# Altium PCB BB.PcbDoc (part 5 of 9) (continued)
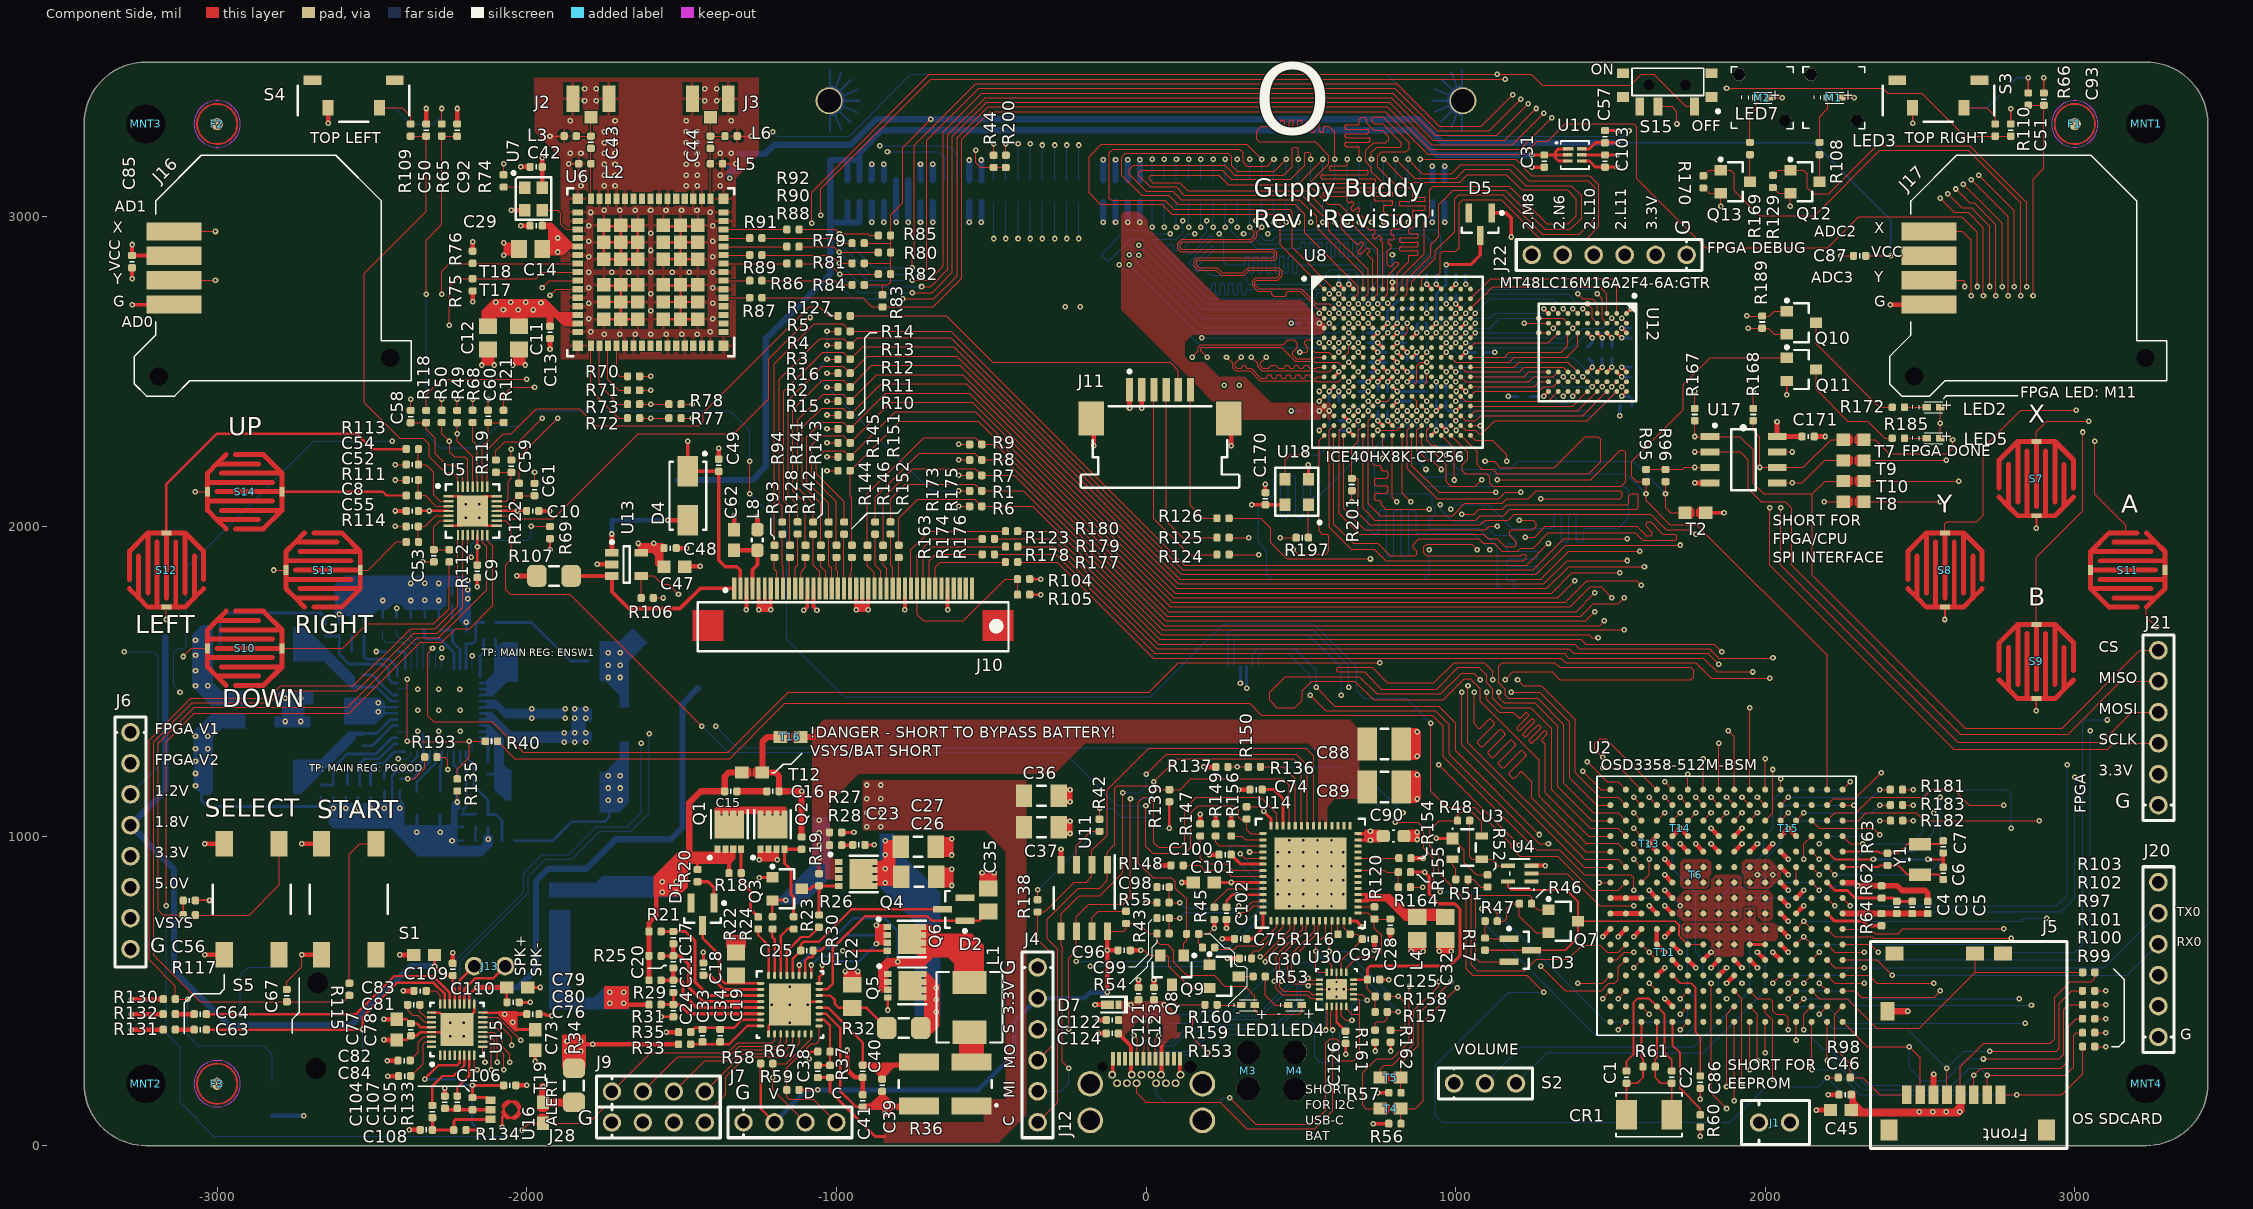
[diagram p0: Component Side view]
## Nets (pads, with @x,y where several pads share a name; then routed paths per layer and width w, separated by ;. In a path a pad name is that pad's centre, name@x,y a point inside that pad or via, vN(x,y) a via of type N, cw(c..) or ccw(c..) an arc to the next point about the centre after c; other vN are vias at no path point) (continued)
  other v2: 463.35,773.31 508.62,773.31 553.9,773.31 599.17,773.31 424.96,811.69 463.35,811.69 508.62,811.69 553.9,811.69 599.17,811.69 637.56,811.69 424.96,856.97 463.35,856.97 508.62,856.97 553.9,856.97 599.17,856.97 637.56,856.97 424.96,902.24 463.35,902.24 508.62,902.24 553.9,902.24 599.17,902.24 637.56,902.24 424.96,947.52 463.35,947.52 508.62,947.52 553.9,947.52 599.17,947.52 637.56,947.52 463.35,985.91 508.62,985.91 553.9,985.91 599.17,985.91
  other v3: -2246.65,353.27 -2203.35,353.27 -2246.65,396.58 -2203.35,396.58
  other v4: -2196.65,2028.35 -2153.35,2028.35 -2196.65,2071.65 -2153.35,2071.65
GPIO_INT_N: R69.2 U2.T12 U5.10 | length 10143
  Component Side w4: U5.10@-2190.75,1972.24 -2190.75,1910.75 v1(-2180,1900) ; v1(-1985,2000) R69.2@-1925,2000 ; U2.T12@1500,599.82 1519.82,599.82 1545,625 v1(1575,625)
  Inner Layer 1 w4: v1(-1985,2000) -1985,2130 -2010,2155 -2010,2255 -1954.96,2310.04 -1414.96,2310.04 -1060,2665 -1060,2930 -980,3010 -620.08,3010 -545.08,3085 -475,3085 -395,3165 -125,3165 -118,3172 -118,3199 -103,3214 461,3214 473,3202 473,3165.25 623.25,3015 1280,3015 1371,2924 1771,2924 1900,2795 2880,2795 2885,2790 2885,2246.86 2990,2141.86 2990,1455 2795,1260 v1(2795,1025.31) ; v1(1575,625) 1600,650 1600,705 1536,769 1536,785 1546,795 1980.18,795 2050,864.82 2050,886 2063,899 2075,899 2100,924 2100,930 2144.82,974.82 v1(2175,974.82)
  Solder Side w4: v1(-2180,1900) -2180,1941 -2166,1955 -1998,1955 -1985,1968 v1(-1985,2000) ; v1(2175,974.82) 2200,999.82 2322,999.82 2347,974.82 2469.82,974.82 2510,1015 2510,1130 2530,1150 2780,1150 2795,1135 v1(2795,1025.31)
GPMC_AD0: U2.R3 U8.T6 | length 3273.7
  Component Side w4: U8.T6@733.07,2294.29 733.07,2201.93 737.45,2197.55 754.45,2197.55 760,2192 760,2187.2 ccw(c767.2,2187.2) 767.2,2180 774.74,2180 cw(c774.74,2172.8) 781.94,2172.8 781.94,2163.2 cw(c774.74,2163.2) 774.74,2156 760,2156 745.26,2156 ccw(c745.26,2148.8) 738.06,2148.8 738.06,2139.2 ccw(c745.26,2139.2) 745.26,2132 760,2132 774.74,2132 cw(c774.74,2124.8) 781.94,2124.8 781.94,2115.2 cw(c774.74,2115.2) 774.74,2108 760,2108 745.26,2108 ccw(c745.26,2100.8) 738.06,2100.8 738.06,2091.2 ccw(c745.26,2091.2) 745.26,2084 752.8,2084 cw(c752.8,2076.8) 760,2076.8 760,2070 775,2055 v1(915,2055) ; v1(1160,1505) 1185,1530 1312,1530 1337,1505 1760,1505 1769,1514 1769,1536 1760,1545 1336,1545 1321,1560 1150,1560 1140,1550 1140,1495 1160,1475 1160,1455 1170,1445 1265,1445 1350,1360 1350,1170 1445.18,1074.82 1525,1074.82 U2.R3@1550,1049.82
  Inner Layer 1 w4: v1(915,2055) 915,1955 935,1935 935,1770 1160,1545 v1(1160,1505)
GPMC_AD1: U2.R2 U8.P9 | length 3214.7
  Component Side w4: U8.P9@827.56,2357.28 v1(843.31,2341.53) ; v1(1200,1505) 1219,1486 1276,1486 1386,1376 1386,1204 1465.18,1124.82 1525,1124.82 U2.R2@1550,1099.82
  Inner Layer 1 w4: v1(985,2055) 985,1785 1200,1570 v1(1200,1505)
  Solder Side w4: v1(843.31,2341.53) 843.31,2186.69 900,2130 1545,2130 1560,2115 1560,2030 1525,1995 1478,1995 1422.4,1995 ccw(c1422.4,1986.6) 1414,1986.6 1414,1958.68 cw(c1405.6,1958.68) 1405.6,1950.28 1398.4,1950.28 cw(c1398.4,1958.68) 1390,1958.68 1390,1995 1390,2031.32 ccw(c1381.6,2031.32) 1381.6,2039.72 1374.4,2039.72 ccw(c1374.4,2031.32) 1366,2031.32 1366,1995 1366,1958.68 cw(c1357.6,1958.68) 1357.6,1950.28 1350.4,1950.28 cw(c1350.4,1958.68) 1342,1958.68 1342,1995 1342,2031.32 ccw(c1333.6,2031.32) 1333.6,2039.72 1326.4,2039.72 ccw(c1326.4,2031.32) 1318,2031.32 1318,2003.4 cw(c1309.6,2003.4) 1309.6,1995 1306,1995 1181,1995 1106,2070 1000,2070 v1(985,2055)
GPMC_AD2: U2.R1 U8.R10 | length 3272.8
  Component Side w4: U8.R10@859.05,2325.79 843.31,2310.04 843.31,2186.69 940,2090 1140,2090 1160,2110 v1(1210,2110) ; v1(1425,1240) 1490,1175 1524.82,1175 U2.R1@1550,1149.82
  Inner Layer 1 w4: v1(1210,2110) 1250,2150 1303,2150 1340,2113 1340,2057 1352,2045 1725,2045 1750,2070 1750,2153 1763,2166 1786,2166 1815,2137 1815,2105 1735,2025 1335,2025 1320,2040 1320,2095 1285,2130 1260,2130 1155,2025 1155,1855 1360,1650 1360,1305 v1(1425,1240)
GPMC_AD3: U2.T3 U8.R4 | length 3215.2
  Component Side w4: U8.R4@670.08,2325.79 v1(685.83,2341.54) ; v1(1140,1465) 1140,1447 1157,1430 1255,1430 1330,1355 1330,1160 1440.18,1049.82 U2.T3@1500,1049.82
  Inner Layer 1 w4: v1(915,1925) 915,1765 1140,1540 v1(1140,1465)
  Solder Side w4: v1(685.83,2341.54) 685.83,2225.83 556,2096 539.2,2096 cw(c539.2,2103.2) 532,2103.2 532,2155.94 ccw(c524.8,2155.94) 524.8,2163.14 515.2,2163.14 ccw(c515.2,2155.94) 508,2155.94 508,2096 508,2036.06 cw(c500.8,2036.06) 500.8,2028.86 491.2,2028.86 cw(c491.2,2036.06) 484,2036.06 484,2096 484,2155.94 ccw(c476.8,2155.94) 476.8,2163.14 467.2,2163.14 ccw(c467.2,2155.94) 460,2155.94 460,2096 460,2036.06 cw(c452.8,2036.06) 452.8,2028.86 443.2,2028.86 cw(c443.2,2036.06) 436,2036.06 436,2096 436,2155.94 ccw(c428.8,2155.94) 428.8,2163.14 419.2,2163.14 ccw(c419.2,2155.94) 412,2155.94 412,2103.2 cw(c404.8,2103.2) 404.8,2096 400,2096 362,2058 362,1948.28 390,1920.28 390,1847 407,1830 898,1830 915,1847 v1(915,1925)
GPMC_AD4: U2.T2 U8.P10 | length 3214.7
  Component Side w4: v1(843.31,2373.03) U8.P10@859.05,2357.28 ; v1(1180,1465) 1271,1465 1369,1367 1369,1186 1455.18,1099.82 U2.T2@1500,1099.82
  Inner Layer 1 w4: v1(950,2069.88) 950,1955 960,1945 960,1775 1180,1555 v1(1180,1465)
  Solder Side w4: v1(843.31,2373.03) 827.56,2357.28 827.56,2329.56 818,2320 805,2320 739,2254 739,2119 752.69,2105.31 914.57,2105.31 925,2094.88 925,2070 935,2060 935,2039.81 915,2019.81 915,2000 920,1995 1074.84,1995 1135,1934.84 1135,1810 1145,1800 1185,1800 1195,1810 1195,1812 1195,1816.8 ccw(c1187.8,1816.8) 1187.8,1824 1173.17,1824 cw(c1173.17,1831.2) 1165.97,1831.2 1165.97,1840.8 cw(c1173.17,1840.8) 1173.17,1848 1195,1848 1257.83,1848 ccw(c1257.83,1855.2) 1265.03,1855.2 1265.03,1864.8 ccw(c1257.83,1864.8) 1257.83,1872 1195,1872 1173.17,1872 cw(c1173.17,1879.2) 1165.97,1879.2 1165.97,1888.8 cw(c1173.17,1888.8) 1173.17,1896 1195,1896 1257.83,1896 ccw(c1257.83,1903.2) 1265.03,1903.2 1265.03,1912.8 ccw(c1257.83,1912.8) 1257.83,1920 1195,1920 1173.17,1920 cw(c1173.17,1927.2) 1165.97,1927.2 1165.97,1936.8 cw(c1173.17,1936.8) 1173.17,1944 1191,1944 ccw(c1191,1948) 1195,1948 1195,1958 1181,1972 1128,1972 1085,2015 990,2015 950,2055 v1(950,2069.88)
GPMC_AD5: U2.T1 U8.T3 | length 3273.8
  Component Side w4: U8.T3@638.58,2294.29 638.58,2058.07 706.65,1990 1098,1990 1108,2000 v1(1135,2000) ; v1(1410,1210) 1470.18,1149.82 U2.T1@1500,1149.82
  Inner Layer 1 w4: v1(1135,2000) 1135,2030 1185,2080 1185,2119 1236,2170 1315,2170 1360,2125 1360,2071 1366,2065 1529.75,2065 1602.75,2138 1665,2138 1672,2145 1672,2177 1659,2190 1222.33,2190 1170,2137.67 1170,2095 1110,2035 1110,1985 1135,1960 1135,1845 1340,1640 1340,1280 v1(1410,1210)
GPMC_AD6: U2.P4 U8.T10 | length 3272.9
  Component Side w4: U8.T10@859.05,2294.29 859.05,2195.95 945,2110 v1(1130,2110) ; v1(1575,1024.82) U2.P4@1600,999.82
  Inner Layer 1 w4: v1(1130,2110) 1070,2050 1070,2020 1050,2000 1050,1800 1260,1590 1260,1170 1405.18,1024.82 1543.18,1024.82 1568,1000 1590,1000 1595,995 1595,960 1610.18,944.82 1640.18,944.82 1650,935 1650,920.1 1614.9,885 1491,885 1485,879 1485,869.9 1489.9,865 1635.1,865 1668.1,898 1679,898 1693,912 1693,949.18 1696.82,953 1711,953 1715,949 1715,905 1710,900 1710,872 1716,866 1728.68,866 1735,872.32 1735,949 1739,953 1751,953 1755,949 1755,905 1760,900 1770.41,900 1775,904.59 1775,946 1780,951 1787,951 1793,945 1793,892 1799,886 1813,886 1818,891 1818,947 1800,965 1800,985.18 1789.18,996 1627,996 1598.18,1024.82 v1(1575,1024.82)
GPMC_AD7: U2.R4 U8.T11 | length 3273.6
  Component Side w4: U8.T11@890.55,2294.29 890.55,2263.5 913.5,2240.55 928.54,2240.55 970,2199.09 970,2145 985,2130 1064,2130 v1(1085,2151) ; v1(1120,1505) 1120,1533 1093,1560 995,1560 930,1495 780,1495 730,1545 621,1545 616,1540 616,1534 620,1530 705,1530 760,1475 939,1475 1009,1545 1075,1545 1100,1520 1100,1495 1120,1475 1120,1445 1150,1415 1242,1415 1310,1347 1310,1150 1435.18,1024.82 1525,1024.82 U2.R4@1550,999.82
  Inner Layer 1 w4: v1(1085,2151) 1098,2164 1098,2175 1082.45,2190.55 1051.02,2190.55 1043,2182.53 1043,2109 1039,2105 925,2105 895,2075 895,1760 1120,1535 v1(1120,1505)
GPMC_AD8: U2.T4 U8.T15 | length 3272.9
  Component Side w4: U8.T15@1016.54,2294.29 1070,2240.83 1070,2200 1085,2185 1120,2185 1135,2170 1430,2170 1469,2209 1469,2282 1461,2290 1419,2290 1319,2190 1145,2190 1125,2210 v1(1095,2210) ; v1(1100,1465) 1100,1441 1141,1400 1186,1400 1201.91,1384.09 1203.89,1382.11 ccw(c1206.86,1385.08) 1209.83,1382.11 1225.1,1397.38 cw(c1228.07,1394.41) 1231.04,1397.38 1235,1393.42 cw(c1232.03,1390.45) 1235,1387.48 1216.76,1369.24 1198.52,1351 ccw(c1201.49,1348.03) 1198.52,1345.06 1202.48,1341.1 ccw(c1205.44,1344.07) 1208.41,1341.1 1226.66,1359.34 1244.9,1377.59 cw(c1247.87,1374.62) 1250.84,1377.59 1254.8,1373.63 cw(c1251.83,1370.66) 1254.8,1367.69 1236.56,1349.44 1218.31,1331.2 ccw(c1221.28,1328.23) 1218.31,1325.26 1222.27,1321.3 ccw(c1225.24,1324.27) 1228.21,1321.3 1246.46,1339.54 1264.7,1357.79 cw(c1267.67,1354.82) 1270.64,1357.79 1274.6,1353.83 cw(c1271.63,1350.86) 1274.6,1347.89 1256.36,1329.64 1238.11,1311.4 ccw(c1241.08,1308.43) 1238.11,1305.46 1242.07,1301.5 ccw(c1245.04,1304.47) 1248.01,1301.5 1266.26,1319.74 1284.5,1337.99 cw(c1287.47,1335.02) 1290.44,1337.99 1294.4,1334.03 cw(c1291.43,1331.06) 1294.4,1328.09 1279.13,1312.81 ccw(c1282.1,1309.84) 1279.13,1306.87 1286.06,1299.94 1290,1296 1290,1140 1430.18,999.82 U2.T4@1500,999.82
  Inner Layer 1 w4: v1(1095,2210) 1095,2225 1084,2236 1061,2236 1019,2194 1019,2135 1009,2125 920,2125 875,2080 875,1750 1100,1525 1100,1492 1080,1472 1080,1451 1086,1445 1112,1445 1116,1449 1116,1462 1113,1465 v1(1100,1465)
GPMC_AD9: U2.P5 U8.T14 | length 3273.5
  Component Side w4: U8.T14@985.04,2294.29 1039,2240.33 1039,2217 1021,2199 1021,2180 1031,2170 1100,2170 1110,2160 1110,2140 1120,2130 1535,2130 1549,2144 1549,2239 1542,2246 1531,2246 1436,2151 v1(1134.67,2151) ; v1(1575,974.82) U2.P5@1600,949.82
  Inner Layer 1 w4: v1(1134.67,2151) 1049.33,2065.67 1049.33,2029.33 1030,2010 1030,1790 1240,1580 1240,1158.14 1423.31,974.82 1436,974.82 1438.1,974.82 ccw(c1438.1,979.72) 1443,979.72 1443,999.92 cw(c1447.9,999.92) 1447.9,1004.82 1452.1,1004.82 cw(c1452.1,999.92) 1457,999.92 1457,974.82 1457,949.72 ccw(c1461.9,949.72) 1461.9,944.82 1466.1,944.82 ccw(c1466.1,949.72) 1471,949.72 1471,974.82 1471,999.92 cw(c1475.9,999.92) 1475.9,1004.82 1480.1,1004.82 cw(c1480.1,999.92) 1485,999.92 1485,974.82 1485,949.72 ccw(c1489.9,949.72) 1489.9,944.82 1494.1,944.82 ccw(c1494.1,949.72) 1499,949.72 1499,974.82 1499,999.92 cw(c1503.9,999.92) 1503.9,1004.82 1508.1,1004.82 cw(c1508.1,999.92) 1513,999.92 1513,974.82 1513,949.72 ccw(c1517.9,949.72) 1517.9,944.82 1522.1,944.82 ccw(c1522.1,949.72) 1527,949.72 1527,974.82 1527,999.92 cw(c1531.9,999.92) 1531.9,1004.82 1536.1,1004.82 cw(c1536.1,999.92) 1541,999.92 1541,974.82 1541,949.72 ccw(c1545.9,949.72) 1545.9,944.82 1550.1,944.82 ccw(c1550.1,949.72) 1555,949.72 1555,969.92 cw(c1559.9,969.92) 1559.9,974.82 1566,974.82 v1(1575,974.82)
GPMC_AD10: U2.R5 U8.T9 | length 3273.2
  Component Side w4: U8.T9@827.56,2294.29 827.56,2107.44 v1(855,2080) ; v1(1080,1505) 1058.37,1526.63 1019.63,1526.63 952,1459 745.27,1459 689.27,1515 450,1515 399,1464 399,1438 423,1414 480,1414 504.68,1438.69 504.68,1469.69 535,1500 675,1500 735,1440 960,1440 1028,1508 1047.31,1508 1080,1475.31 1080,1435 1270,1245 1270,1128.14 1422.14,976 1523.82,976 U2.R5@1550,949.82
  Inner Layer 1 w4: v1(855,2080) 855,1744 1080,1519 v1(1080,1505)
GPMC_AD11: U2.T5 U8.T13 | length 3273.1
  Component Side w4: U8.T13@953.54,2294.29 995,2252.83 v1(995,2150) ; v1(1060,1465) 1060,1362.36 1068.36,1354 1073.45,1348.91 ccw(c1076.85,1352.3) 1080.24,1348.91 1107.57,1376.24 cw(c1110.96,1372.84) 1114.36,1376.24 1124.54,1366.05 cw(c1121.15,1362.66) 1124.54,1359.27 1093.82,1328.54 1071.5,1306.22 ccw(c1074.89,1302.83) 1071.5,1299.43 1081.68,1289.25 ccw(c1085.07,1292.64) 1088.47,1289.25 1110.79,1311.57 1141.51,1342.29 cw(c1144.9,1338.9) 1148.3,1342.29 1158.48,1332.11 cw(c1155.09,1328.72) 1158.48,1325.32 1127.76,1294.6 1105.44,1272.28 ccw(c1108.83,1268.89) 1105.44,1265.49 1115.62,1255.31 ccw(c1119.01,1258.7) 1122.41,1255.31 1144.73,1277.63 1175.45,1308.35 cw(c1178.85,1304.96) 1182.24,1308.35 1192.42,1298.17 cw(c1189.03,1294.78) 1192.42,1291.38 1161.7,1260.66 1139.38,1238.34 ccw(c1142.77,1234.94) 1139.38,1231.55 1149.56,1221.37 ccw(c1152.95,1224.76) 1156.35,1221.37 1178.67,1243.69 1209.39,1274.41 cw(c1212.79,1271.02) 1216.18,1274.41 1226.36,1264.23 cw(c1222.97,1260.84) 1226.36,1257.44 1195.64,1226.72 1173.32,1204.4 ccw(c1176.71,1201) 1173.32,1197.61 1183.5,1187.43 ccw(c1186.9,1190.82) 1190.29,1187.43 1209.22,1206.36 cw(c1212.61,1202.96) 1216.01,1206.36 1217.18,1205.18 1246.36,1176 1246.36,1123.64 1420.18,949.82 U2.T5@1500,949.82
  Inner Layer 1 w4: v1(995,2150) 978,2150 972,2156 972,2200 937,2235 890,2235 885,2230 885,2210.1 890.1,2205 920,2205 930,2195 930,2170 920,2160 875,2160 855,2140 855,2125 860,2120 865,2120 885,2140 890,2140 895,2135 895,2125 875,2105 845,2105 840,2110 840,2155 869,2184 869,2231 865,2235 841,2235 835.45,2240.55 827.45,2240.55 788,2280 780,2280 762,2262 762,2258 767,2253 791,2253 819,2225 828,2225 850,2203 850,2190 825,2165 825,2105 835,2095 835,1730 1060,1505 v1(1060,1465)
GPMC_AD12: U2.P6 U8.T5 | length 3274
  Component Side w4: U8.T5@701.57,2294.29 701.57,2058.07 739.65,2020 1065,2020 1080,2035 1155,2035 1175,2055 1585,2055 1590,2060 1590,2100 1585,2105 1567,2105 1560,2098 1560,2075 1554.88,2069.88 1164.88,2069.88 1150,2055 1074.88,2055 1060,2040.12 v1(1020,2040.12) ; v1(1575,924.82) U2.P6@1600,899.82
  Inner Layer 1 w4: v1(1020,2040.12) 1010.37,2030.49 1010.37,1784.63 1220,1575 1220,1150 1445.18,924.82 v1(1575,924.82)
GPMC_AD13: U2.R6 U8.T8 | length 3273.4
  Component Side w4: U8.T8@796.06,2294.29 796.06,2093.94 v1(810,2080) ; v1(1040,1486) 1040,1301.35 1416.35,925 1524.82,925 U2.R6@1550,899.82
  Inner Layer 1 w4: v1(810,2080) 810,2175 831,2196 831,2201 822,2210 815,2210 789,2184 789,2055.83 799,2045.83 799,2029 791,2021 780,2021 775,2026 775,2137 772,2140 760.61,2140 757,2136.39 757,2061.88 753.12,2058 745.92,2058 ccw(c745.92,2053.2) 741.12,2053.2 741.12,2032.8 cw(c736.32,2032.8) 736.32,2028 721.92,2028 cw(c721.92,2032.8) 717.12,2032.8 717.12,2058 717.12,2083.2 ccw(c712.32,2083.2) 712.32,2088 697.92,2088 ccw(c697.92,2083.2) 693.12,2083.2 693.12,2058 693.12,2032.8 cw(c688.32,2032.8) 688.32,2028 673.92,2028 cw(c673.92,2032.8) 669.12,2032.8 669.12,2053.2 ccw(c664.32,2053.2) 664.32,2058 656.65,2058 640,2041.35 640,1960 645,1955 660,1955 664.66,1959.66 664.66,1990.66 669,1995 676.2,1995 ccw(c676.2,1999.8) 681,1999.8 681,2010.2 cw(c685.8,2010.2) 685.8,2015 700.2,2015 cw(c700.2,2010.2) 705,2010.2 705,1995 705,1979.8 ccw(c709.8,1979.8) 709.8,1975 724.2,1975 ccw(c724.2,1979.8) 729,1979.8 729,1995 729,2010.2 cw(c733.8,2010.2) 733.8,2015 748.2,2015 cw(c748.2,2010.2) 753,2010.2 753,1995 753,1979.8 ccw(c757.8,1979.8) 757.8,1975 772.2,1975 ccw(c772.2,1979.8) 777,1979.8 777,1990.2 cw(c781.8,1990.2) 781.8,1995 794.83,1995 805,1995 810,1990 810,1957 810,1949.8 ccw(c814.8,1949.8) 814.8,1945 815.2,1945 cw(c815.2,1940.2) 820,1940.2 820,1925.8 cw(c815.2,1925.8) 815.2,1921 810,1921 804.8,1921 ccw(c804.8,1916.2) 800,1916.2 800,1901.8 ccw(c804.8,1901.8) 804.8,1897 810,1897 815.2,1897 cw(c815.2,1892.2) 820,1892.2 820,1877.8 cw(c815.2,1877.8) 815.2,1873 810,1873 804.8,1873 ccw(c804.8,1868.2) 800,1868.2 800,1853.8 ccw(c804.8,1853.8) 804.8,1849 810,1849 815.2,1849 cw(c815.2,1844.2) 820,1844.2 820,1829.8 cw(c815.2,1829.8) 815.2,1825 810,1825 804.8,1825 ccw(c804.8,1820.2) 800,1820.2 800,1805.8 ccw(c804.8,1805.8) 804.8,1801 810,1801 815.2,1801 cw(c815.2,1796.2) 820,1796.2 820,1781.8 cw(c815.2,1781.8) 815.2,1777 810,1777 804.8,1777 ccw(c804.8,1772.2) 800,1772.2 800,1757.8 ccw(c804.8,1757.8) 804.8,1753 805.2,1753 cw(c805.2,1748.2) 810,1748.2 810,1735 810,1716 821.5,1704.5 826.59,1699.41 ccw(c829.99,1702.8) 833.38,1699.41 833.66,1699.69 cw(c837.06,1696.3) 840.45,1699.69 850.63,1689.51 cw(c847.24,1686.12) 850.63,1682.72 846.96,1679.04 843.28,1675.37 ccw(c846.67,1671.97) 843.28,1668.58 853.46,1658.4 ccw(c856.86,1661.79) 860.25,1658.4 863.93,1662.07 867.6,1665.75 cw(c871,1662.36) 874.39,1665.75 884.57,1655.57 cw(c881.18,1652.17) 884.57,1648.78 880.9,1645.1 877.22,1641.43 ccw(c880.61,1638.03) 877.22,1634.64 887.4,1624.46 ccw(c890.8,1627.85) 894.19,1624.46 897.87,1628.13 901.54,1631.81 cw(c904.94,1628.42) 908.33,1631.81 918.52,1621.63 cw(c915.12,1618.23) 918.52,1614.84 914.84,1611.16 911.16,1607.48 ccw(c914.56,1604.09) 911.16,1600.7 921.34,1590.51 ccw(c924.74,1593.91) 928.13,1590.51 931.81,1594.19 935.49,1597.87 cw(c938.88,1594.47) 942.27,1597.87 952.46,1587.69 cw(c949.06,1584.29) 952.46,1580.9 948.78,1577.22 945.1,1573.54 ccw(c948.5,1570.15) 945.1,1566.76 955.28,1556.57 ccw(c958.68,1559.97) 962.07,1556.57 965.75,1560.25 969.43,1563.93 cw(c972.82,1560.53) 976.22,1563.93 986.4,1553.74 cw(c983,1550.35) 986.4,1546.96 982.72,1543.28 979.04,1539.6 ccw(c982.44,1536.21) 979.04,1532.81 989.23,1522.63 ccw(c992.62,1526.03) 996.01,1522.63 999.69,1526.31 1003.37,1529.99 cw(c1006.76,1526.59) 1010.16,1529.99 1020.34,1519.8 cw(c1016.94,1516.41) 1020.34,1513.02 1020.06,1512.73 ccw(c1023.45,1509.34) 1020.06,1505.94 1028,1498 v1(1040,1486)
GPMC_AD14: U2.T6 U8.T16 | length 3273.6
  Component Side w4: v1(1020,1465) 1020,1295 1415.18,899.82 U2.T6@1500,899.82 ; U8.T16@1048.03,2294.29 1063.78,2278.54 1118.46,2278.54 1165,2232 v1(1165,2210)
  Inner Layer 1 w4: v1(1020,1465) 785,1700 785,1935 760,1960 690,1960 660,1930 660,1745 655,1740 635,1740 625,1750 625,2076 658,2109 665.24,2116.24 ccw(c661.84,2119.63) 665.24,2123.03 653.85,2134.42 cw(c657.24,2137.81) 653.85,2141.21 664.03,2151.39 cw(c667.42,2147.99) 670.82,2151.39 685.6,2136.6 706.3,2115.9 ccw(c709.7,2119.3) 713.09,2115.9 723.27,2126.09 ccw(c719.88,2129.48) 723.27,2132.87 702.57,2153.57 687.79,2168.36 cw(c691.18,2171.75) 687.79,2175.15 697.97,2185.33 cw(c701.36,2181.94) 704.76,2185.33 719.54,2170.54 740.24,2149.84 ccw(c743.64,2153.24) 747.03,2149.84 757.21,2160.03 ccw(c753.82,2163.42) 757.21,2166.82 739.91,2184.12 cw(c743.3,2187.51) 739.91,2190.91 745,2196 748.8,2199.8 779.7,2199.8 790,2210.1 790,2230.31 780.31,2240 744,2240 737,2247 737,2262 769,2294 799,2294 843,2250 1155,2250 1165,2240 v1(1165,2210)
GPMC_AD15: U2.P7 U8.T7 | length 3273
  Component Side w4: v1(764.57,2220) U8.T7@764.57,2294.29 ; U2.P7@1600,849.82 1625.28,875.1 v1(1625.28,925)
  Inner Layer 1 w4: v1(764.57,2220) 706,2220 605,2119 605,1715 628,1692 653,1692 680,1719 680,1920 700,1940 750,1940 764.57,1925.43 764.57,1690.43 1025.42,1429.58 1159.42,1429.58 1187,1402 1187,1393.9 cw(c1182.1,1393.9) 1182.1,1389 1171.9,1389 ccw(c1171.9,1384.1) 1167,1384.1 1167,1379.9 ccw(c1171.9,1379.9) 1171.9,1375 1187,1375 1202.1,1375 cw(c1202.1,1370.1) 1207,1370.1 1207,1365.9 cw(c1202.1,1365.9) 1202.1,1361 1187,1361 1171.9,1361 ccw(c1171.9,1356.1) 1167,1356.1 1167,1351.9 ccw(c1171.9,1351.9) 1171.9,1347 1187,1347 1202.1,1347 cw(c1202.1,1342.1) 1207,1342.1 1207,1337.9 cw(c1202.1,1337.9) 1202.1,1333 1187,1333 1171.9,1333 ccw(c1171.9,1328.1) 1167,1328.1 1167,1323.9 ccw(c1171.9,1323.9) 1171.9,1319 1187,1319 1202.1,1319 cw(c1202.1,1314.1) 1207,1314.1 1207,1309.9 cw(c1202.1,1309.9) 1202.1,1305 1187,1305 1171.9,1305 ccw(c1171.9,1300.1) 1167,1300.1 1167,1295.9 ccw(c1171.9,1295.9) 1171.9,1291 1187,1291 1202.1,1291 cw(c1202.1,1286.1) 1207,1286.1 1207,1281.9 cw(c1202.1,1281.9) 1202.1,1277 1187,1277 1171.9,1277 ccw(c1171.9,1272.1) 1167,1272.1 1167,1267.9 ccw(c1171.9,1267.9) 1171.9,1263 1187,1263 1202.1,1263 cw(c1202.1,1258.1) 1207,1258.1 1207,1253.9 cw(c1202.1,1253.9) 1202.1,1249 1187,1249 1171.9,1249 ccw(c1171.9,1244.1) 1167,1244.1 1167,1239.9 ccw(c1171.9,1239.9) 1171.9,1235 1187,1235 1202.1,1235 cw(c1202.1,1230.1) 1207,1230.1 1207,1225.9 cw(c1202.1,1225.9) 1202.1,1221 1187,1221 1171.9,1221 ccw(c1171.9,1216.1) 1167,1216.1 1167,1211.9 ccw(c1171.9,1211.9) 1171.9,1207 1187,1207 1202.1,1207 cw(c1202.1,1202.1) 1207,1202.1 1207,1197.9 cw(c1202.1,1197.9) 1202.1,1193 1187,1193 1171.9,1193 ccw(c1171.9,1188.1) 1167,1188.1 1167,1183.9 ccw(c1171.9,1183.9) 1171.9,1179 1182.1,1179 cw(c1182.1,1174.1) 1187,1174.1 1187,1172 1187,1153 1440,900 1600.28,900 v1(1625.28,925)
GPMC_ADVN_ALE: U2.M1 U8.P6 | length 3273.1
  Component Side w4: U8.P6@733.07,2357.28 717.32,2341.53 717.32,2073.82 756.14,2035 990,2035 1030,2075 1150,2075 1165,2090 1235,2090 1260,2115 1530,2115 1538,2107 1538,2098 1530,2090 v1(1275,2090) ; v1(1675,1174.82) U2.M1@1700,1149.82
  Inner Layer 1 w4: v1(1275,2090) 1275,1905 1304,1876 1365,1876 1382,1893 1384.55,1895.55 ccw(c1378.61,1901.49) 1384.55,1907.43 ; 1384.55,1907.43 1368.98,1922.99 cw(c1374.92,1928.93) 1368.98,1934.87 1374.07,1939.96 cw(c1380.01,1934.02) 1385.95,1939.96 1407.46,1918.46 1428.96,1896.95 ccw(c1434.9,1902.89) 1440.84,1896.95 1445.93,1902.04 ccw(c1439.99,1907.98) 1445.93,1913.92 1424.43,1935.43 1410.19,1949.66 cw(c1416.13,1955.6) 1410.19,1961.54 1415.29,1966.63 cw(c1421.23,1960.69) 1427.17,1966.63 1435.46,1958.34 ccw(c1441.4,1964.28) 1447.34,1958.34 1458,1969 1511.07,1969 1546,1934.07 1546,1920 1476,1850 1364.8,1850 1355,1840.2 1355,1820 1390,1785 1395,1785 1400,1790 1400,1805 1405,1810 1415,1810 1420,1805 1420,1715 1480,1655 1480,1645 1505,1620 1505,1344.82 v1(1675,1174.82)
GPMC_BEN0_CLE: U2.N3 U8.T2 | length 3273.3
  Component Side w4: U8.T2@607.09,2294.29 607.09,2007.58 669.67,1945 749,1945 789,1905 869.8,1905 875,1910.2 875,1920 863,1932 863,1941 881.73,1959.73 1075.27,1959.73 1090,1945 1124.84,1945 1149.84,1920 1200,1920 1210,1930 1250,1930 1300,1980 1579.73,1980 1604.73,1955 1710,1955 1715,1960 1715,1970 1710,1975 1669.77,1975 1629.97,2014.8 1619.76,2014.8 1615,2010.04 1615,1999.93 1635,1979.93 1635,1975.03 1629.97,1970 1615,1970 1585,2000 1290,2000 1255,1965 v1(1225,1965) ; U2.N3@1650,1049.82 v1(1675,1074.82)
  Inner Layer 1 w4: v1(1225,1965) 1225,1930 1395,1760 1395,1710 1440,1665 1440,1345 1650,1135 1650,1099.82 v1(1675,1074.82)
GPMC_BEN1: U2.N14 U8.R16 | length 3273.4
  Component Side w4: U8.R16@1048.03,2325.79 v1(1079.53,2325.79) ; v1(1625,524.82) U2.N14@1650,499.82
  Inner Layer 1 w4: v1(1079.53,2325.79) 1079.53,2415.47 1043,2452 922.28,2452 890.55,2420.28 796.28,2420.28 764.78,2388.78 708.78,2388.78 701.57,2381.57 701.57,2298.57 500,2097 500,1711 657,1554 694.99,1554 922.99,1326 938.56,1326 1020,1244.56 1020,935 1350,605 1350,510 1425,435 1557,435 1625,503 v1(1625,524.82)
GPMC_CLK: U2.T7 U8.R9 | length 3272.7
  Component Side w4: v1(748.82,2310.04) 811.81,2310.04 U8.R9@827.56,2325.79 ; v1(1464.64,849.82) U2.T7@1500,849.82
  Inner Layer 1 w4: v1(748.82,2310.04) 748.82,2298.82 557,2107 557,2029 557,2014.8 cw(c552.2,2014.8) 552.2,2010 536.89,2010 ccw(c536.89,2005.2) 532.09,2005.2 532.09,1990.8 ccw(c536.89,1990.8) 536.89,1986 557,1986 577.11,1986 cw(c577.11,1981.2) 581.91,1981.2 581.91,1966.8 cw(c577.11,1966.8) 577.11,1962 557,1962 536.89,1962 ccw(c536.89,1957.2) 532.09,1957.2 532.09,1942.8 ccw(c536.89,1942.8) 536.89,1938 557,1938 577.11,1938 cw(c577.11,1933.2) 581.91,1933.2 581.91,1918.8 cw(c577.11,1918.8) 577.11,1914 557,1914 536.89,1914 ccw(c536.89,1909.2) 532.09,1909.2 532.09,1894.8 ccw(c536.89,1894.8) 536.89,1890 557,1890 577.11,1890 cw(c577.11,1885.2) 581.91,1885.2 581.91,1870.8 cw(c577.11,1870.8) 577.11,1866 557,1866 536.89,1866 ccw(c536.89,1861.2) 532.09,1861.2 532.09,1846.8 ccw(c536.89,1846.8) 536.89,1842 557,1842 577.11,1842 cw(c577.11,1837.2) 581.91,1837.2 581.91,1822.8 cw(c577.11,1822.8) 577.11,1818 557,1818 536.89,1818 ccw(c536.89,1813.2) 532.09,1813.2 532.09,1798.8 ccw(c536.89,1798.8) 536.89,1794 557,1794 577.11,1794 cw(c577.11,1789.2) 581.91,1789.2 581.91,1774.8 cw(c577.11,1774.8) 577.11,1770 557,1770 536.89,1770 ccw(c536.89,1765.2) 532.09,1765.2 532.09,1750.8 ccw(c536.89,1750.8) 536.89,1746 552.2,1746 cw(c552.2,1741.2) 557,1741.2 557,1734 557,1706 656.7,1606.3 748.3,1606.3 754,1612 754,1621 701,1674 701,1908 713,1920 735,1920 745,1910 745,1680 1105,1320 1105,1209.47 v1(1464.64,849.82)
GPMC_CSN0: U2.P3 U8.R2 | length 3272.8
  Component Side w4: U8.R2@607.09,2325.79 592.28,2310.98 592.28,1997.24 662.53,1927 738,1927 775,1890 1220.14,1890 1227.86,1897.73 1227.86,1906.14 1223,1911 1216,1911 1210,1905 907,1905 897,1915 897,1934 906,1943 1052,1943 v1(1070,1925) ; v1(1575,1074.82) U2.P3@1600,1049.82
  Inner Layer 1 w4: v1(1070,1925) 1070,1815 1280,1605 1280,1180 1385.18,1074.82 1423,1074.82 1425.1,1074.82 ccw(c1425.1,1079.72) 1430,1079.72 1430,1099.92 cw(c1434.9,1099.92) 1434.9,1104.82 1439.1,1104.82 cw(c1439.1,1099.92) 1444,1099.92 1444,1074.82 1444,1049.72 ccw(c1448.9,1049.72) 1448.9,1044.82 1453.1,1044.82 ccw(c1453.1,1049.72) 1458,1049.72 1458,1074.82 1458,1099.92 cw(c1462.9,1099.92) 1462.9,1104.82 1467.1,1104.82 cw(c1467.1,1099.92) 1472,1099.92 1472,1074.82 1472,1049.72 ccw(c1476.9,1049.72) 1476.9,1044.82 1481.1,1044.82 ccw(c1481.1,1049.72) 1486,1049.72 1486,1074.82 1486,1099.92 cw(c1490.9,1099.92) 1490.9,1104.82 1495.1,1104.82 cw(c1495.1,1099.92) 1500,1099.92 1500,1074.82 1500,1049.72 ccw(c1504.9,1049.72) 1504.9,1044.82 1509.1,1044.82 ccw(c1509.1,1049.72) 1514,1049.72 1514,1074.82 1514,1099.92 cw(c1518.9,1099.92) 1518.9,1104.82 1523.1,1104.82 cw(c1523.1,1099.92) 1528,1099.92 1528,1074.82 1528,1049.72 ccw(c1532.9,1049.72) 1532.9,1044.82 1537.1,1044.82 ccw(c1537.1,1049.72) 1542,1049.72 1542,1074.82 1542,1099.92 cw(c1546.9,1099.92) 1546.9,1104.82 1551.1,1104.82 cw(c1551.1,1099.92) 1556,1099.92 1556,1079.72 ccw(c1560.9,1079.72) 1560.9,1074.82 1570,1074.82 v1(1575,1074.82)